# Altium PCB Ixora.PcbDoc (part 3 of 13) (continued)
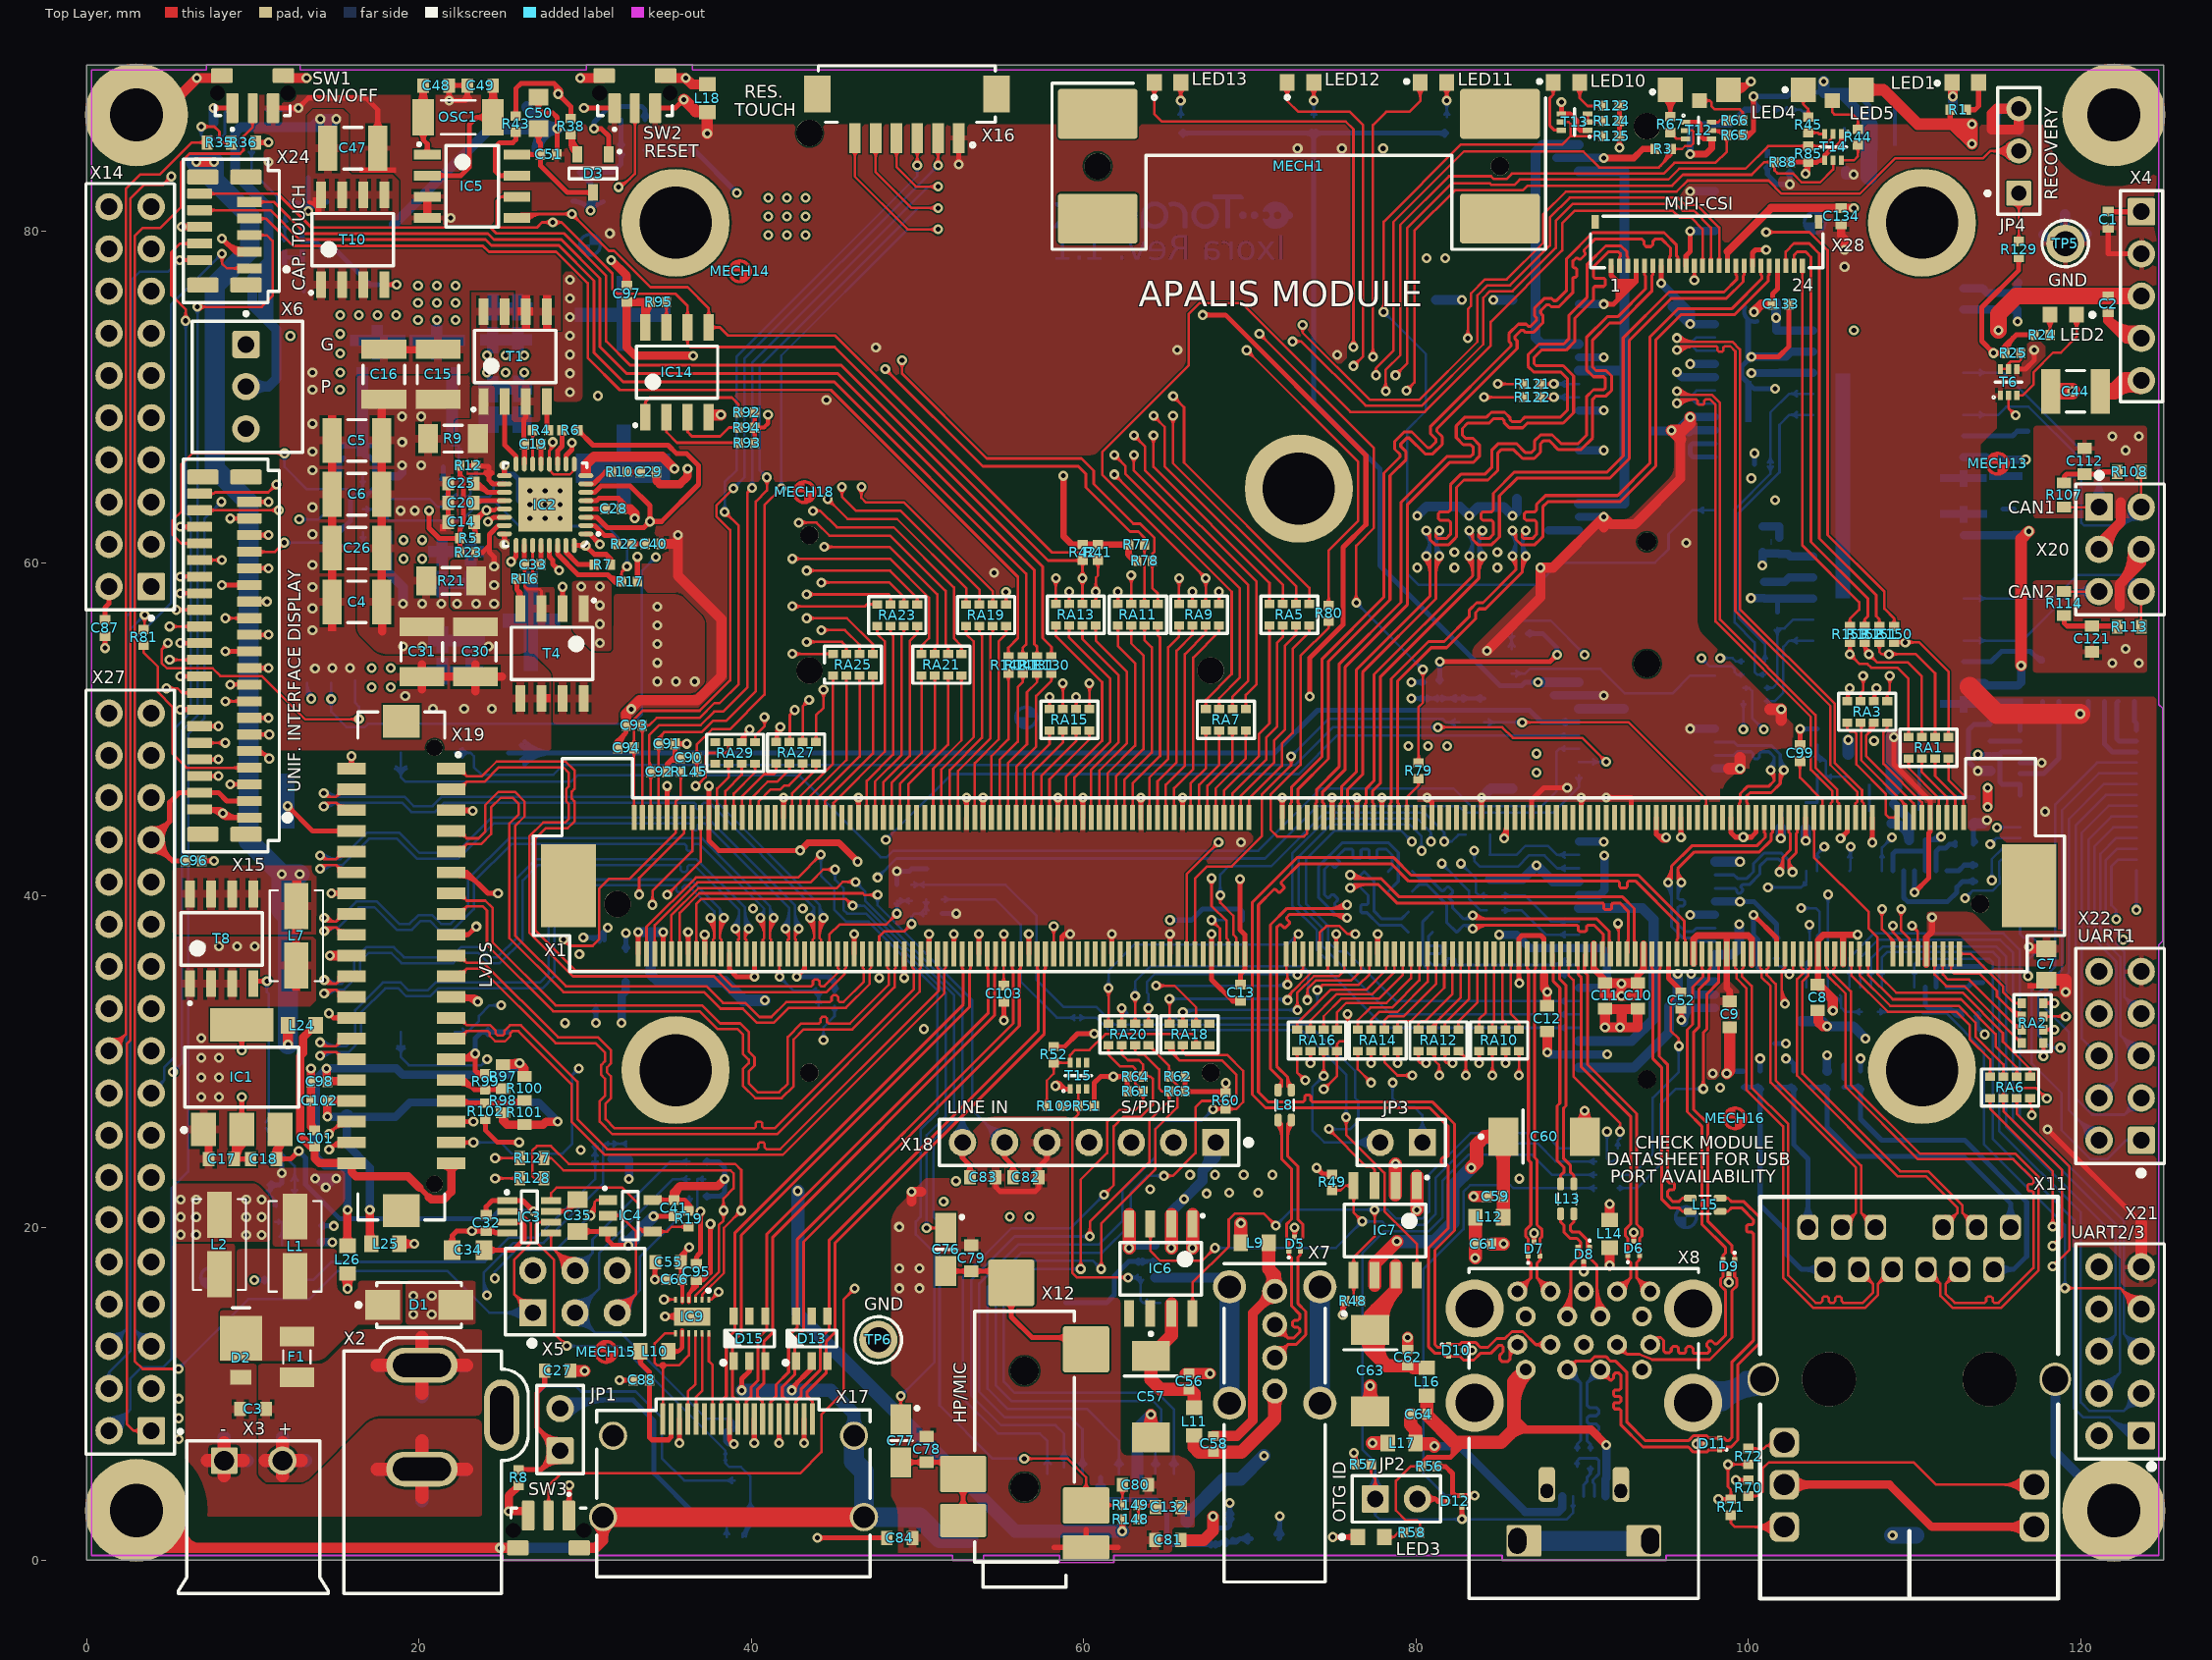
[diagram p0: Top Layer view]
## Nets (pads, with @x,y where several pads share a name; then routed paths per layer and width w, separated by ;. In a path a pad name is that pad's centre, name@x,y a point inside that pad or via, vN(x,y) a via of type N, cw(c..) or ccw(c..) an arc to the next point about the centre after c; other vN are vias at no path point) (continued)
AAP1_LIN_L: C82.2 X1.310 X18.6 | length 45.6
  Top Layer w0.15: X1.310@35.647,37.204 ccw(c35.519,37.332) 35.7,37.332 ccw(c35.881,37.332) X1.310@35.753,37.204 ; X1.310@35.7,36.5 35.7,38.967 36.875,40.142 46.708,40.142 46.8,40.05 v1(47.6,40.05) ; v1@47.441,39.891 ccw(c47.057,39.507) 47.057,40.05 ccw(c47.057,40.593) v1@47.441,40.209
  Top Layer w0.3: X18.6@55.064,24.501 cw(c54.994,24.255) 55.25,24.255 ; X18.6@55.25,25.15 55.25,24.255 ; X18.6@55.435,24.501 ccw(c55.506,24.255) 55.25,24.255 ; C82.2@55.591,23.371 ccw(c55.207,23.755) 55.75,23.755 ; C82.2@55.75,23.05 55.75,23.755 ; C82.2@55.909,23.371 cw(c56.293,23.755) 55.75,23.755 ; 55.25,24.255 55.75,23.755
  Bottom Layer w0.15: v1@47.441,39.891 cw(c47.057,39.507) 47.6,39.507 cw(c48.143,39.507) v1@47.759,39.891 ; v1(47.6,40.05) 47.6,39.418 53.287,33.731 53.287,27.113 X18.6@55.25,25.15 ; X18.6@54.5,25.15 ccw(c52.689,25.15) 53.97,26.43 ccw(c55.25,27.711) X18.6@55.25,25.9 ; X18.6@54.65,25.15 ccw(c53.201,25.15) 54.226,26.174 ccw(c55.25,27.199) X18.6@55.25,25.75 ; X18.6@54.8,25.15 ccw(c53.714,25.15) 54.482,25.918 ccw(c55.25,26.686) X18.6@55.25,25.6
AAP1_LIN_R: C83.2 X1.312 X18.7 | length 45.3
  Top Layer w0.15: X1.312@35.147,37.204 ccw(c35.019,37.332) 35.2,37.332 ccw(c35.381,37.332) X1.312@35.253,37.204 ; X1.312@35.2,36.5 35.2,38.836 36.814,40.45 45.125,40.45 45.5,40.825 v1(46.275,40.825) ; v1@46.116,40.666 ccw(c45.732,40.282) 45.732,40.825 ccw(c45.732,41.368) v1@46.116,40.984
  Top Layer w0.3: X18.7@52.498,24.509 cw(c52.4,24.215) 52.71,24.215 ; X18.7@52.71,25.15 52.71,24.215 ; X18.7@52.922,24.509 ccw(c53.02,24.215) 52.71,24.215 ; C83.2@53,23.34 ccw(c52.616,23.724) 53.159,23.724 ccw(c53.703,23.724) C83.2@53.319,23.34 ; C83.2@53.159,23.05 53.159,23.766 52.71,24.215
  Bottom Layer w0.15: v1@46.275,40.6 cw(c46.275,40.057) 46.659,40.441 cw(c47.043,40.825) v1@46.5,40.825 ; v1(46.275,40.825) 46.85,40.25 46.85,39.7 52.71,33.84 X18.7@52.71,25.15 ; X18.7@52.18,25.68 ccw(c50.899,26.961) 52.71,26.961 ccw(c54.521,26.961) X18.7@53.24,25.68 ; X18.7@52.286,25.574 ccw(c51.261,26.599) 52.71,26.599 ccw(c54.159,26.599) X18.7@53.134,25.574 ; X18.7@52.392,25.468 ccw(c51.624,26.236) 52.71,26.236 ccw(c53.796,26.236) X18.7@53.028,25.468
AAP1_MICIN: C80.2 R149.1 X1.306 X12.4 | length 70.8
  Top Layer w0.15: X1.306@36.647,37.204 ccw(c36.519,37.332) 36.7,37.332 ccw(c36.881,37.332) X1.306@36.753,37.204 ; X1.306@36.7,36.5 36.7,39.517 36.983,39.8 45.7,39.8 v1(46.1,39.4) ; v1@45.875,39.4 ccw(c45.332,39.4) 45.716,39.784 ccw(c46.1,40.168) v1@46.1,39.625 ; v1(56.428,6.119) 59.032,6.119 60.15,5.001 60.15,3.325 R149.1@62.334,3.325 ; v1@56.572,5.96 cw(c56.956,5.576) 56.956,6.119 cw(c56.956,6.663) v1@56.572,6.278 ; X12.4@59.991,4.338 ccw(c59.607,4.722) 60.15,4.722 ccw(c60.693,4.722) X12.4@60.309,4.338 ; X12.4@61.435,3.166 cw(c61.819,2.782) 61.819,3.325 ; X12.4@61.435,3.484 ccw(c61.819,3.869) 61.819,3.325 ; 61.822,3.325 ccw(c61.822,3.839) R149.1@62.186,3.476 ; 61.832,3.325 cw(c61.832,2.825) R149.1@62.186,3.179 ; C80.2@62.14,4.277 cw(c61.673,3.809) 62.334,3.809 ; R149.1@62.186,3.501 ccw(c61.827,3.859) 62.334,3.859 ccw(c62.841,3.859) R149.1@62.483,3.501 ; R149.1@62.203,3.166 ccw(c61.819,2.782) 61.819,3.325 ; R149.1@62.203,3.484 cw(c61.819,3.869) 61.819,3.325 ; R149.1@62.334,3.327 C80.2@62.334,4.419 ; 62.334,3.806 cw(c63.001,3.806) C80.2@62.529,4.277
  Bottom Layer w0.15: v1(46.1,39.4) 46.795,39.4 52.209,33.986 52.209,26.532 50.978,25.301 50.978,20.65 51.333,20.295 51.333,9.322 54.536,6.119 v1(56.428,6.119) ; v1@46.259,39.241 cw(c46.643,38.857) 46.643,39.4 cw(c46.643,39.943) v1@46.259,39.559 ; v1@56.269,5.96 ccw(c55.884,5.576) 55.884,6.119 ccw(c55.884,6.663) v1@56.269,6.278
AGND: C78.1 C79.1 C80.1 C81.2 C82.1 C83.1 C84.2 C85.1 C132.2 IC8.2 L21.1 X1.303 X1.304 X1.308 X1.313 X12.1 X18.5 X27.26 | length 69.3
  Top Layer w0.3: v1@34.844,46.494 cw(c34.588,46.238) 34.95,46.238 cw(c35.312,46.238) v1@35.056,46.494 ; X1.313@34.95,44.7 v1(34.95,46.6) ; v1@36.094,37.694 cw(c35.838,37.438) 36.2,37.438 cw(c36.562,37.438) v1@36.306,37.694 ; X1.308@36.2,36.5 v1(36.2,37.8) ; v1@37.094,37.544 cw(c36.838,37.288) 37.2,37.288 cw(c37.562,37.288) v1@37.306,37.544 ; X1.304@37.2,36.5 v1(37.2,37.65) ; v1(37.447,46.6) 37.45,46.597 X1.303@37.45,44.7 37.45,43.322 38.049,42.723 v1(42.951,42.723) ; C83.1@54.709,23.05 54.709,22.461 54.97,22.2 57.1,22.2 57.3,22.4 C82.1@57.3,23.05 57.3,23.67 57.79,24.16 X18.5@57.79,25.15 ; 58.22,0.78 X12.1@60.15,0.78 ; 60.15,1.85 X12.1@60.15,0.78 ; 62.08,0.78 X12.1@60.15,0.78
  Top Layer w0.4: v1(42.951,42.723) 43.409,43.18 45.27,43.18 v1(46.4,42.05)
  Top Layer w0.6: 49.657,21.59 v1(49.657,22.174) 50.241,22.174
  Mid-Layer 2 w0.5: v1(42.951,42.723) 43.459,43.231 44.628,43.231 45.809,42.05 v1(46.4,42.05)
  Mid-Layer 1 w0.3: X27.26@1.36,38.28 1.36,38.19 2.345,37.205 ; X27.26@1.366,37.605 cw(c1.379,36.239) 2.345,37.205 ; X27.26@1.731,38.223 ccw(c2.42,38.116) 1.927,37.623 ; X27.26@2.027,38.177 ccw(c3.144,38.004) 2.345,37.205 ; v1@29.558,36.373 ccw(c29.302,36.117) 29.302,36.479 ccw(c29.302,36.842) v1@29.558,36.586 ; v1(29.664,36.479) 25.903,36.479 25.4,36.982 12.954,36.982 12.236,37.7 5.375,37.7 4.88,37.205 2.345,37.205
  Bottom Layer w0.3: 37.2,37.147 v1@37.2,37.8
  other v1: 48.912,16.374 50.114,16.374 48.912,17.577 50.114,17.577 48.9,20.067 50.394,31.976 47.7,35.05
AN1_ADC0: X1.305 X27.22 | length 53.9
  Top Layer w0.15: v1(34.95,40.05) 36.95,42.05 X1.305@36.95,44.7 ; v1@34.95,40.275 ccw(c34.95,40.818) 35.334,40.434 ccw(c35.718,40.05) v1@35.175,40.05 ; X1.305@36.897,44.047 cw(c36.769,43.919) 36.95,43.919 cw(c37.131,43.919) X1.305@37.003,44.047
  Mid-Layer 1 w0.15: X27.22@1.36,33.2 2.61,34.45 ; X27.22@1.368,33.65 ccw(c1.385,34.675) 2.11,33.95 ccw(c2.835,33.225) X27.22@1.81,33.208 ; X27.22@1.37,33.8 ccw(c1.394,35.166) 2.36,34.2 ccw(c3.326,33.234) X27.22@1.96,33.21 ; X27.22@1.373,33.95 ccw(c1.402,35.658) 2.61,34.45 ; X27.22@2.11,33.213 cw(c3.818,33.242) 2.61,34.45 ; v1@34.791,39.891 cw(c34.407,39.507) 34.95,39.507 cw(c35.493,39.507) v1@35.109,39.891 ; v1(34.95,40.05) 34.95,39.35 35.175,39.125 35.175,37.603 32.658,35.086 23.605,35.086 20.955,32.436 7.544,32.436 5.53,34.45 2.61,34.45
AN1_ADC1: X1.307 X27.23 | length 47.9
  Top Layer w0.15: v1@33.9,39.61 ccw(c33.516,39.994) 34.059,39.994 ccw(c34.602,39.994) v1@34.218,39.61 ; v1(34.059,39.451) 34.059,40.293 36.45,42.684 X1.307@36.45,44.7 ; X1.307@36.397,44.047 cw(c36.269,43.919) 36.45,43.919 cw(c36.631,43.919) X1.307@36.503,44.047
  Mid-Layer 1 w0.15: X27.23@3.9,35.74 3.915,35.754 5.749,35.754 6.02,35.484 31.684,35.484 34.059,37.859 v1(34.059,39.451) ; X27.23@4.218,35.422 cw(c5.021,34.619) 5.021,35.754 ; X27.23@4.218,36.058 ccw(c4.951,36.791) 4.951,35.754 ; X27.23@4.324,35.316 cw(c5.384,34.256) 5.384,35.754 ; X27.23@4.324,36.164 ccw(c5.314,37.154) 5.314,35.754 ; X27.23@4.43,35.21 cw(c5.746,33.894) 5.746,35.754 ; X27.23@4.43,36.27 ccw(c5.676,37.516) 5.676,35.754 ; v1@33.9,39.292 cw(c33.516,38.908) 34.059,38.908 cw(c34.602,38.908) v1@34.218,39.292
AN1_ADC2: X1.309 X27.24 | length 47.6
  Top Layer w0.15: v1@33.097,40.228 ccw(c32.713,40.612) 33.256,40.612 ccw(c33.799,40.612) v1@33.415,40.228 ; v1@33.254,40.174 33.254,40.071 v1(33.256,40.069) 33.256,41.064 35.95,43.758 X1.309@35.95,44.7 ; X1.309@35.897,44.047 cw(c35.769,43.919) 35.95,43.919 cw(c36.131,43.919) X1.309@36.003,44.047
  Mid-Layer 1 w0.15: X27.24@1.36,35.74 2.36,36.74 ; X27.24@1.445,36.182 ccw(c1.553,36.746) 1.96,36.34 ccw(c2.367,35.933) X27.24@1.802,35.825 ; X27.24@1.473,36.329 ccw(c1.618,37.082) 2.16,36.54 ccw(c2.702,35.998) X27.24@1.949,35.853 ; X27.24@1.502,36.477 ccw(c1.682,37.417) 2.36,36.74 ; X27.24@2.097,35.882 cw(c3.038,36.062) 2.36,36.74 ; v1@33.097,39.91 cw(c32.713,39.526) 33.256,39.526 cw(c33.799,39.526) v1@33.415,39.91 ; v1(33.256,40.069) 33.256,38.666 32.868,38.278 32.282,38.278 29.869,35.865 6.629,35.865 5.754,36.74 2.36,36.74
AN1_TSMX: C92.2 X1.317 X15.38 X16.4 | length 96.9
  Top Layer w0.15: X15.38@6.8,63.2 v1(11.577,63.2) ; X15.38@7.409,63.041 cw(c7.793,62.657) 7.793,63.2 cw(c7.793,63.743) X15.38@7.409,63.359 ; v1@11.418,63.041 ccw(c11.034,62.657) 11.034,63.2 ccw(c11.034,63.743) v1@11.418,63.359 ; C92.2@33.805,47.258 cw(c33.438,46.891) 33.958,46.891 cw(c34.477,46.891) C92.2@34.11,47.258 ; 33.85,47.907 ccw(c34.374,47.907) C92.2@34.003,47.536 ; 33.85,48.269 ccw(c34.736,48.269) C92.2@34.11,47.642 ; X1.317@33.897,45.404 ccw(c33.751,45.55) 33.958,45.55 ; X1.317@33.95,44.7 33.958,44.708 C92.2@33.958,47.45 33.85,47.558 33.85,49.649 34.468,50.267 36.962,50.267 37.775,51.079 38.313,51.079 39.758,52.524 39.758,64.243 ; 33.958,45.514 ccw(c34.113,45.514) X1.317@34.003,45.404 ; v1@39.835,64.498 cw(c39.558,64.443) 39.758,64.243 ; v1@40.012,64.321 ccw(c39.958,64.043) 39.758,64.243 ; v1(40.056,64.541) 39.758,64.243 ; X16.4@48.546,84.854 cw(c48.076,84.384) 48.74,84.384 cw(c49.404,84.384) X16.4@48.934,84.854 ; X16.4@48.74,85.501 48.74,83.848 49.916,82.672 v1(51.24,82.672) ; v1@51.081,82.512 ccw(c50.697,82.128) 50.697,82.672 ccw(c50.697,83.215) v1@51.081,82.831
  Mid-Layer 1 w0.15: v1(11.577,63.2) 13.105,63.2 13.403,62.902 15.1,62.902 17.146,64.948 28.695,64.948 29.99,63.652 39.167,63.652 v1(40.056,64.541) ; v1@11.736,63.041 cw(c12.12,62.657) 12.12,63.2 cw(c12.12,63.743) v1@11.736,63.359 ; v1@39.831,64.541 cw(c39.288,64.541) 39.672,64.157 cw(c40.056,63.773) v1@40.056,64.316
  Bottom Layer w0.15: v1@39.897,64.7 ccw(c39.513,65.085) 40.056,65.085 ccw(c40.599,65.085) v1@40.215,64.7 ; v1(40.056,64.541) 40.056,72.066 50.662,82.672 v1(51.24,82.672) ; v1@51.081,82.512 ccw(c50.697,82.128) 50.697,82.672 ccw(c50.697,83.215) v1@51.081,82.831
AN1_TSMY: C94.2 X1.321 X15.39 X16.2 | length 91.3
  Top Layer w0.15: X15.39@9.8,63.7 v1(10.955,63.7) ; X15.39@10.409,63.541 cw(c10.793,63.157) 10.793,63.7 cw(c10.793,64.243) X15.39@10.409,63.859 ; X15.39@10.439,63.579 cw(c10.572,63.493) 10.613,63.646 cw(c10.673,63.868) X15.39@10.459,63.783 ; X15.39@10.439,63.821 ccw(c10.572,63.907) 10.613,63.754 ccw(c10.673,63.532) X15.39@10.459,63.617 ; v1@10.796,63.541 ccw(c10.412,63.157) 10.412,63.7 ccw(c10.412,64.243) v1@10.796,63.859 ; C94.2@32.798,48.708 cw(c32.431,48.341) 32.95,48.341 cw(c33.469,48.341) C94.2@33.102,48.708 ; C94.2@32.798,49.092 ccw(c32.431,49.459) 32.95,49.459 ccw(c33.469,49.459) C94.2@33.102,49.092 ; X1.321@32.897,45.404 ccw(c32.769,45.532) 32.95,45.532 ccw(c33.131,45.532) X1.321@33.003,45.404 ; X1.321@32.95,44.7 C94.2@32.95,48.9 32.95,50.617 33.463,51.13 36.9,51.13 38.723,52.953 38.723,62.014 37.897,62.84 37.897,63.48 v1(38.933,64.516) ; X16.2@51.046,84.854 cw(c50.576,84.384) 51.24,84.384 cw(c51.904,84.384) X16.2@51.434,84.854 ; v1@51.081,84.117 ccw(c50.697,84.501) 51.24,84.501 ccw(c51.783,84.501) v1@51.399,84.117 ; v1(51.24,83.958) X16.2@51.24,85.501
  Mid-Layer 1 w0.15: v1(10.955,63.7) 11.357,64.102 14.95,64.102 16.227,65.38 28.874,65.38 30.119,64.135 38.552,64.135 v1(38.933,64.516) ; v1@10.955,63.925 ccw(c10.955,64.468) 11.339,64.084 ccw(c11.723,63.7) v1@11.18,63.7 ; v1@38.708,64.516 cw(c38.164,64.516) 38.548,64.132 cw(c38.933,63.748) v1@38.933,64.291
  Bottom Layer w0.15: v1(38.933,64.516) 39.591,65.174 39.591,72.308 v1(51.24,83.958) ; v1@38.933,64.741 ccw(c38.933,65.284) 39.317,64.9 ccw(c39.701,64.516) v1@39.158,64.516 ; v1@51.015,83.958 cw(c50.472,83.958) 50.856,83.574 cw(c51.24,83.189) v1@51.24,83.733
AN1_TSPX: C91.2 X1.315 X15.40 X16.5 | length 99.6
  Top Layer w0.15: X15.40@6.8,64.2 7.66,64.2 ; X15.40@7.44,64.079 cw(c7.66,63.94) 7.66,64.2 ; X15.40@7.44,64.321 ccw(c7.66,64.46) 7.66,64.2 ; v1@11.199,64.758 cw(c10.656,64.758) 11.04,64.374 cw(c11.424,63.99) v1@11.424,64.533 ; v1(11.424,64.758) 10.941,64.275 7.735,64.275 7.66,64.2 ; C91.2@34.282,48.948 cw(c33.915,48.581) 34.434,48.581 cw(c34.953,48.581) C91.2@34.586,48.948 ; C91.2@34.343,49.375 ccw(c34.276,49.518) 34.434,49.518 ; C91.2@34.356,49.148 cw(c34.669,49.275) 34.43,49.514 ; 34.434,45.544 ccw(c34.669,45.544) X1.315@34.503,45.378 ; X1.315@34.45,44.7 34.434,44.716 C91.2@34.434,49.14 34.434,49.518 ; C91.2@34.495,49.204 cw(c34.898,49.367) 34.59,49.674 ; C91.2@34.526,49.375 cw(c34.593,49.518) 34.434,49.518 ; C91.2@34.634,49.26 cw(c35.127,49.459) 34.751,49.835 ; v1@40.786,65.017 cw(c40.402,64.633) 40.945,64.633 cw(c41.488,64.633) v1@41.104,65.017 ; v1(40.945,65.176) 40.945,64.384 40.275,63.715 40.275,52.31 38.486,50.521 37.69,50.521 37.005,49.835 34.751,49.835 ; X16.5@47.296,84.854 cw(c46.826,84.384) 47.49,84.384 cw(c48.154,84.384) X16.5@47.684,84.854 ; X16.5@47.49,85.501 47.49,83.546 49.651,81.386 v1(51.24,81.386) ; v1@51.081,81.226 ccw(c50.697,80.842) 50.697,81.386 ccw(c50.697,81.929) v1@51.081,81.545 ; 34.434,49.518 34.751,49.835
  Mid-Layer 1 w0.15: v1(11.424,64.758) 11.466,64.8 14.661,64.8 16.282,66.421 28.443,66.421 30.247,64.618 37.719,64.618 38.278,65.176 v1(40.945,65.176) ; v1@11.583,64.599 cw(c12.069,64.113) 12.069,64.8 ; v1@11.583,64.917 ccw(c11.865,65.199) 11.865,64.8 ; v1@40.786,65.017 ccw(c40.402,64.633) 40.402,65.176 ccw(c40.402,65.72) v1@40.786,65.335
  Bottom Layer w0.15: v1@40.72,65.176 ccw(c40.177,65.176) 40.561,65.56 ccw(c40.945,65.945) v1@40.945,65.401 ; v1(40.945,65.176) 40.521,65.6 40.521,71.873 50.034,81.386 v1(51.24,81.386) ; v1@51.081,81.226 ccw(c50.697,80.842) 50.697,81.386 ccw(c50.697,81.929) v1@51.081,81.545
AN1_TSPY: C93.2 X1.319 X15.37 X16.3 | length 93.5
  Top Layer w0.15: v1(8.645,62.7) X15.37@9.8,62.7 ; v1@8.804,62.541 cw(c9.188,62.157) 9.188,62.7 cw(c9.188,63.243) v1@8.804,62.859 ; X15.37@9.141,62.617 ccw(c8.927,62.532) 8.987,62.754 ccw(c9.028,62.907) X15.37@9.161,62.821 ; X15.37@9.141,62.783 cw(c8.927,62.868) 8.987,62.646 cw(c9.028,62.493) X15.37@9.161,62.579 ; X15.37@9.191,62.541 ccw(c8.807,62.157) 8.807,62.7 ccw(c8.807,63.243) X15.37@9.191,62.859 ; C93.2@33.298,50.058 cw(c32.931,49.691) 33.45,49.691 cw(c33.969,49.691) C93.2@33.602,50.058 ; X1.319@33.397,45.404 ccw(c33.269,45.532) 33.45,45.532 ccw(c33.631,45.532) X1.319@33.503,45.404 ; X1.319@33.45,44.7 C93.2@33.45,50.25 33.855,50.25 ; C93.2@33.628,50.13 cw(c33.855,49.976) 33.855,50.25 ; C93.2@33.628,50.37 ccw(c33.855,50.524) 33.855,50.25 ; v1@38.405,62.869 cw(c38.405,62.325) 38.789,62.709 cw(c39.173,63.094) v1@38.63,63.094 ; v1(38.405,63.094) 39.24,62.258 39.24,52.739 38.089,51.587 37.781,51.587 36.892,50.698 34.303,50.698 33.855,50.25 ; X16.3@49.796,84.854 cw(c49.326,84.384) 49.99,84.384 cw(c50.654,84.384) X16.3@50.184,84.854 ; v1@49.831,84.117 ccw(c49.447,84.501) 49.99,84.501 ccw(c50.533,84.501) v1@50.149,84.117 ; v1(49.99,83.958) X16.3@49.99,85.501
  Mid-Layer 1 w0.15: v1(8.645,62.7) 10.35,62.7 10.875,62.175 13.214,62.175 13.489,62.45 15.4,62.45 16.653,63.703 24.536,63.703 26.111,62.128 31.267,62.128 32.36,63.221 34.519,63.221 34.646,63.094 v1(38.405,63.094) ; v1@8.804,62.541 cw(c9.188,62.157) 9.188,62.7 cw(c9.188,63.243) v1@8.804,62.859 ; v1@38.246,62.935 ccw(c37.862,62.55) 37.862,63.094 ccw(c37.862,63.637) v1@38.246,63.253
  Bottom Layer w0.15: v1@38.246,63.253 ccw(c37.862,63.637) 38.405,63.637 ccw(c38.948,63.637) v1@38.564,63.253 ; v1(38.405,63.094) 38.405,64.897 39.125,65.617 39.125,72.451 49.99,83.316 v1(49.99,83.958) ; v1@49.831,83.799 cw(c49.447,83.414) 49.99,83.414 cw(c50.533,83.414) v1@50.149,83.799
AN1_TSWIP: C90.2 R145.2 X16.6 | length 56.8
  Top Layer w0.15: C90.2@36.571,48.108 cw(c36.204,47.741) 36.724,47.741 cw(c37.243,47.741) C90.2@36.876,48.108 ; C90.2@36.571,48.492 ccw(c36.204,48.859) 36.724,48.859 ccw(c37.243,48.859) C90.2@36.876,48.492 ; R145.2@36.575,47.624 ccw(c36.217,47.982) 36.724,47.982 ccw(c37.231,47.982) R145.2@36.872,47.624 ; R145.2@36.6,47.645 ccw(c36.467,47.827) 36.685,47.885 ; R145.2@36.619,47.657 ccw(c36.483,47.892) 36.745,47.822 ; 36.702,47.822 ccw(c36.965,47.892) R145.2@36.829,47.657 ; R145.2@36.724,47.45 C90.2@36.724,48.3 36.724,49.093 37.643,50.013 38.71,50.013 40.793,52.096 40.793,63.5 v1(41.808,64.516) ; 36.762,47.885 ccw(c36.98,47.827) R145.2@36.847,47.645 ; v1@41.583,64.516 cw(c41.04,64.516) 41.424,64.132 cw(c41.808,63.748) v1@41.808,64.291 ; X16.6@46.046,84.854 cw(c45.576,84.384) 46.24,84.384 cw(c46.904,84.384) X16.6@46.434,84.854 ; X16.6@46.24,85.501 46.24,83.273 49.414,80.1 v1(51.24,80.1) ; v1@51.081,79.94 ccw(c50.697,79.556) 50.697,80.1 ccw(c50.697,80.643) v1@51.081,80.259
  Bottom Layer w0.15: v1@41.649,64.675 ccw(c41.265,65.059) 41.808,65.059 ccw(c42.352,65.059) v1@41.967,64.675 ; v1(41.808,64.516) 41.808,72.502 49.406,80.1 v1(51.24,80.1) ; v1@51.081,79.94 ccw(c50.697,79.556) 50.697,80.1 ccw(c50.697,80.643) v1@51.081,80.259
AN1_TSWIP_ADC3: R145.1 X1.311 X27.25 | length 51.9
  Top Layer w0.15: v1(28.7,37.361) 29.079,36.982 30.455,36.982 30.861,37.389 30.861,40.437 31.445,41.021 32.691,41.021 35.45,43.78 X1.311@35.45,44.7 35.45,45.675 35.764,45.989 R145.1@35.764,47.45 ; v1@28.717,37.137 cw(c28.749,36.718) 29.046,37.015 cw(c29.343,37.312) v1@28.924,37.344 ; X1.311@35.397,44.047 cw(c35.269,43.919) 35.45,43.919 cw(c35.631,43.919) X1.311@35.503,44.047 ; X1.311@35.397,45.404 ccw(c35.269,45.532) 35.45,45.532 ccw(c35.631,45.532) X1.311@35.503,45.404 ; R145.1@35.615,47.277 cw(c35.257,46.918) 35.764,46.918 cw(c36.271,46.918) R145.1@35.912,47.277
  Mid-Layer 1 w0.15: X27.25@3.9,38.28 12.484,38.28 13.401,37.363 15.392,37.363 15.629,37.6 28.461,37.6 v1(28.7,37.361) ; X27.25@4.218,37.962 cw(c4.986,37.194) 4.986,38.28 cw(c4.986,39.366) X27.25@4.218,38.598 ; X27.25@4.324,37.856 cw(c5.349,36.831) 5.349,38.28 cw(c5.349,39.729) X27.25@4.324,38.704 ; X27.25@4.43,37.75 cw(c5.711,36.469) 5.711,38.28 cw(c5.711,40.091) X27.25@4.43,38.81 ; 27.58,37.6 cw(c27.58,36.241) v1@28.541,37.202 ; 27.942,37.6 cw(c27.942,36.603) v1@28.647,37.308 ; 28.304,37.6 cw(c28.304,36.965) v1@28.753,37.414
AVCC: C85.2 IC8.5 R148.2 X1.314 X1.320 | length 48
  Top Layer w0.3: v1@33.094,37.694 cw(c32.838,37.438) 33.2,37.438 cw(c33.562,37.438) v1@33.306,37.694 ; X1.320@33.2,36.5 v1(33.2,37.8) ; v1@34.594,37.694 cw(c34.338,37.438) 34.7,37.438 cw(c35.062,37.438) v1@34.806,37.694 ; X1.314@34.7,36.5 v1(34.7,37.8)
  Top Layer w0.4: v1@62.334,1.753 R148.2@62.334,2.464
  Bottom Layer w0.6: v1(33.2,37.8) 33.95,37.8 ; v1(34.7,37.8) 33.95,37.8 ; C85.2@36.424,34.798 IC8.5@35.154,34.798 34.412,34.798 33.95,35.26 33.95,37.8
  Bottom Layer w0.7: C85.2@36.812,34.82 38.408,34.82 39.522,33.706 v1(40.818,33.706) ; v1(42.799,22.225) v1@42.799,22.25
  Bottom Layer w0.8: v1(42.799,22.225) 42.799,14.834 55.88,1.753 v1(62.332,1.753)
BKL1_ON: R82.2 X15.5 X19.37 | length 92
  Top Layer w0.15: v1(8.65,46.7) X15.5@9.8,46.7 ; v1@8.809,46.541 cw(c9.193,46.157) 9.193,46.7 cw(c9.193,47.243) v1@8.809,46.859 ; X15.5@9.14,46.619 ccw(c8.932,46.539) 8.99,46.755 ccw(c9.03,46.904) X15.5@9.16,46.821 ; X15.5@9.14,46.781 cw(c8.932,46.861) 8.99,46.645 cw(c9.03,46.496) X15.5@9.16,46.579 ; X15.5@9.191,46.541 ccw(c8.807,46.157) 8.807,46.7 ccw(c8.807,47.243) X15.5@9.191,46.859 ; X19.37@21.95,25.15 v1(23.286,25.15) ; X19.37@22.644,24.956 cw(c23.114,24.486) 23.114,25.15 cw(c23.114,25.814) X19.37@22.644,25.344 ; X19.37@22.695,25.025 cw(c22.844,24.95) 22.888,25.111 cw(c22.964,25.396) X19.37@22.698,25.269 ; X19.37@22.695,25.275 ccw(c22.844,25.351) 22.888,25.189 ccw(c22.964,24.904) X19.37@22.698,25.031 ; X19.37@22.743,25.15 ccw(c22.743,25.693) v1@23.127,25.309 ; X19.37@22.743,25.15 cw(c22.743,24.607) v1@23.127,24.991 ; X19.37@22.743,25.15 ccw(c22.743,25.693) v1@23.127,25.309 ; X19.37@22.743,25.15 cw(c22.743,24.607) v1@23.127,24.991 ; X19.37@22.743,25.15 ccw(c22.743,25.693) v1@23.127,25.309 ; X19.37@22.743,25.15 cw(c22.743,24.607) v1@23.127,24.991 ; 22.857,25.081 ccw(c22.757,25.453) 23.091,25.262 cw(c22.757,25.453) 22.857,25.081 ; 22.857,25.081 cw(c22.923,24.832) 23.117,25.002 ccw(c22.923,24.832) 22.857,25.081 ; 22.857,25.219 ccw(c22.923,25.467) 23.117,25.298 cw(c22.923,25.467) 22.857,25.219 ; 22.857,25.219 cw(c22.757,24.847) 23.091,25.038 ccw(c22.757,24.847) 22.857,25.219
  Mid-Layer 2 w0.15: v1@8.491,46.541 ccw(c8.107,46.157) 8.107,46.7 ccw(c8.107,47.243) v1@8.491,46.859 ; v1(8.65,46.7) 6.974,46.7 6.274,45.999 6.274,27.229 11.603,21.9 17.658,21.9 20.93,25.171 23.265,25.171 v1(23.286,25.15) ; 22.691,25.171 cw(c22.691,24.555) 23.127,24.991 ccw(c22.691,24.555) 22.691,25.171 ; 22.795,25.171 ccw(c22.795,25.642) 23.127,25.309 cw(c22.795,25.642) 22.795,25.171
  Mid-Layer 1 w0.15: v1(29.616,29.591) 31.496,31.471 32.233,31.471 33.858,33.096 37.313,33.096 39.091,31.318 v1(44.348,31.318) ; v1@29.616,29.816 ccw(c29.616,30.359) 30,29.975 ccw(c30.385,29.591) v1@29.841,29.591 ; v1@44.189,31.159 ccw(c43.805,30.775) 43.805,31.318 ccw(c43.805,31.861) v1@44.189,31.477
  Bottom Layer w0.15: v1(23.286,25.15) 24.913,25.15 25.578,24.486 28.651,24.486 29.235,25.07 29.235,29.21 v1(29.616,29.591) ; v1@23.445,24.991 cw(c23.83,24.607) 23.83,25.15 cw(c23.83,25.693) v1@23.445,25.309 ; v1@29.391,29.591 cw(c28.848,29.591) 29.232,29.207 cw(c29.616,28.823) v1@29.616,29.366 ; v1@44.189,31.477 ccw(c43.805,31.861) 44.348,31.861 ccw(c44.892,31.861) v1@44.507,31.477 ; v1(44.348,31.318) 44.348,32.08 45.013,32.745 R82.2@45.013,33.377 ; R82.2@44.865,33.203 cw(c44.506,32.845) 45.013,32.845 cw(c45.52,32.845) R82.2@45.162,33.203
CAM1_D0: RA7.5 X14.7 | length 87.4
  Top Layer w0.15: v1@61.845,65.345 61.858,65.345 68.91,58.293 68.91,53.34 67.361,51.791 RA7.5@67.361,51.232 ; v1@61.85,65.125 cw(c61.85,64.582) 62.234,64.966 cw(c62.618,65.35) v1@62.075,65.35 ; RA7.5@67.237,51.356 ccw(c66.939,51.654) 67.361,51.654 ccw(c67.783,51.654) RA7.5@67.485,51.356
  Mid-Layer 1 w0.15: X14.7@3.9,66.22 5.42,66.22 ; X14.7@4.257,65.946 cw(c4.812,65.521) 4.812,66.22 cw(c4.812,66.919) X14.7@4.257,66.494 ; X14.7@4.376,65.855 cw(c5.116,65.288) 5.116,66.22 cw(c5.116,67.152) X14.7@4.376,66.585 ; X14.7@4.495,65.764 cw(c5.42,65.055) 5.42,66.22 ; X14.7@4.495,66.676 ccw(c5.42,67.385) 5.42,66.22 ; v1@61.625,65.35 ccw(c61.082,65.35) 61.466,65.734 ccw(c61.85,66.118) v1@61.85,65.575 ; v1(61.85,65.35) 59.517,67.683 32.266,67.683 30.226,69.723 23.19,69.723 21.988,70.925 11.825,70.925 10.3,69.4 8.6,69.4 5.42,66.22
CAM1_D1: RA7.6 X14.8 | length 92
  Top Layer w0.15: v1@61.85,66.298 cw(c61.85,65.755) 62.234,66.139 cw(c62.618,66.523) v1@62.075,66.523 ; v1(61.85,66.523) 62.509,65.864 62.509,65.387 69.41,58.486 69.41,53.133 68.161,51.884 RA7.6@68.161,51.232 ; RA7.6@68.037,51.356 ccw(c67.739,51.654) 68.161,51.654 ccw(c68.583,51.654) RA7.6@68.285,51.356
  Mid-Layer 1 w0.15: X14.8@1.36,66.22 2.48,67.34 ; X14.8@1.404,66.668 ccw(c1.481,67.443) 2.032,66.892 ccw(c2.583,66.341) X14.8@1.808,66.264 ; X14.8@1.419,66.817 ccw(c1.522,67.851) 2.256,67.116 ccw(c2.991,66.382) X14.8@1.957,66.279 ; X14.8@1.434,66.966 ccw(c1.562,68.258) 2.48,67.34 ; X14.8@2.106,66.294 cw(c3.398,66.422) 2.48,67.34 ; v1@61.625,66.523 ccw(c61.082,66.523) 61.466,66.907 ccw(c61.85,67.291) v1@61.85,66.748 ; v1(61.85,66.523) 60.188,68.185 33.491,68.185 30.801,70.875 23.461,70.875 22.336,72 12.1,72 11.8,71.7 8.65,71.7 4.29,67.34 2.48,67.34
CAM1_D2: RA7.7 X14.9 | length 85.1
  Top Layer w0.15: v1@62.864,66.364 cw(c62.48,65.98) 63.023,65.98 cw(c63.566,65.98) v1@63.182,66.364 ; v1(63.023,66.523) 63.023,65.581 69.91,58.693 69.91,52.926 68.961,51.976 RA7.7@68.961,51.232 ; RA7.7@68.837,51.356 ccw(c68.539,51.654) 68.961,51.654 ccw(c69.383,51.654) RA7.7@69.085,51.356
  Mid-Layer 1 w0.15: X14.9@3.9,68.76 4.809,68.76 ; X14.9@4.636,68.617 cw(c4.809,68.584) 4.809,68.76 ; X14.9@4.636,68.903 ccw(c4.809,68.936) 4.809,68.76 ; v1@62.798,66.523 ccw(c62.255,66.523) 62.639,66.907 ccw(c63.023,67.291) v1@63.023,66.748 ; v1(63.023,66.523) 60.858,68.687 43.885,68.687 43.1,69.473 33.041,69.473 30.531,71.984 27.889,71.984 26.719,73.154 11.932,73.154 10.929,72.15 8.199,72.15 4.809,68.76
CAM1_D3: RA7.8 X14.10 | length 96
  Top Layer w0.15: v1@63.028,67.476 cw(c63.028,66.933) 63.412,67.317 cw(c63.796,67.701) v1@63.253,67.701 ; v1(63.028,67.701) 63.688,67.042 63.688,65.617 70.406,58.899 70.406,52.721 69.761,52.076 RA7.8@69.761,51.232 ; RA7.8@69.637,51.356 ccw(c69.339,51.654) 69.761,51.654 ccw(c70.183,51.654) RA7.8@69.885,51.356
  Mid-Layer 1 w0.15: X14.10@1.36,68.76 2.6,70 ; X14.10@1.37,69.21 ccw(c1.393,70.215) 2.104,69.504 ccw(c2.815,68.793) X14.10@1.81,68.77 ; X14.10@1.374,69.36 ccw(c1.404,70.699) 2.352,69.752 ccw(c3.299,68.804) X14.10@1.96,68.774 ; X14.10@1.377,69.51 ccw(c1.416,71.184) 2.6,70 ; X14.10@2.11,68.777 cw(c3.784,68.816) 2.6,70 ; v1@62.803,67.701 ccw(c62.26,67.701) 62.644,68.085 ccw(c63.028,68.469) v1@63.028,67.926 ; v1(63.028,67.701) 61.54,69.19 44.093,69.19 43.308,69.975 33.504,69.975 30.378,73.101 27.788,73.101 26.869,74.02 19.554,74.02 19.202,74.371 14.503,74.371 14.326,74.549 8.865,74.549 8.255,73.939 8.255,73.265 4.99,70 2.6,70
CAM1_D4: RA5.5 X14.11 | length 87.1
  Top Layer w0.15: v1@64.042,67.542 cw(c63.658,67.158) 64.201,67.158 cw(c64.744,67.158) v1@64.36,67.542 ; v1(64.201,67.701) 64.201,65.803 71.184,58.821 RA5.5@71.184,57.556 ; RA5.5@71.06,57.68 ccw(c70.761,57.979) 71.184,57.979 ccw(c71.606,57.979) RA5.5@71.307,57.68
  Mid-Layer 1 w0.15: X14.11@3.9,71.3 5.565,71.3 ; X14.11@4.237,71.002 cw(c4.899,70.417) 4.899,71.3 cw(c4.899,72.183) X14.11@4.237,71.598 ; X14.11@4.349,70.902 cw(c5.232,70.122) 5.232,71.3 cw(c5.232,72.478) X14.11@4.349,71.698 ; X14.11@4.462,70.803 cw(c5.565,69.828) 5.565,71.3 cw(c5.565,72.772) X14.11@4.462,71.797 ; 5.568,71.296 7.747,73.475 7.747,74.15 8.625,75.027 14.575,75.027 15.148,75.6 18.95,75.6 19.391,75.159 26.924,75.159 27.813,74.27 30.15,74.27 33.942,70.477 44.994,70.477 45.78,69.692 62.211,69.692 v1(64.201,67.701) ; v1@63.976,67.701 ccw(c63.433,67.701) 63.817,68.085 ccw(c64.201,68.469) v1@64.201,67.926
CAM1_D5: RA5.6 X14.12 | length 89.2
  Top Layer w0.15: v1@64.206,68.654 cw(c64.206,68.111) 64.59,68.495 cw(c64.975,68.879) v1@64.431,68.879 ; v1(64.206,68.879) 64.866,68.22 64.866,65.839 71.984,58.721 RA5.6@71.984,57.556 ; RA5.6@71.86,57.68 ccw(c71.561,57.979) 71.984,57.979 ccw(c72.406,57.979) RA5.6@72.107,57.68
  Mid-Layer 1 w0.15: X14.12@1.36,71.3 2.628,72.568 6.121,72.568 7.239,73.685 7.239,74.36 8.384,75.506 13.657,75.506 14.351,76.2 27.203,76.2 28.016,75.387 30.048,75.387 34.456,70.979 45.202,70.979 45.988,70.194 62.89,70.194 v1(64.206,68.879) ; X14.12@1.36,71.75 ccw(c1.36,72.836) 2.128,72.068 ccw(c2.896,71.3) X14.12@1.81,71.3 ; X14.12@1.36,71.9 ccw(c1.36,73.349) 2.384,72.324 ccw(c3.409,71.3) X14.12@1.96,71.3 ; v1@63.981,68.879 ccw(c63.438,68.879) 63.822,69.263 ccw(c64.206,69.647) v1@64.206,69.104
CAM1_D6: RA5.7 X14.13 | length 89
  Top Layer w0.15: v1@65.22,68.72 cw(c64.836,68.336) 65.379,68.336 cw(c65.922,68.336) v1@65.538,68.72 ; v1(65.379,68.879) 65.379,66.026 72.784,58.621 RA5.7@72.784,57.556 ; RA5.7@72.66,57.68 ccw(c72.361,57.979) 72.784,57.979 ccw(c73.206,57.979) RA5.7@72.907,57.68
  Mid-Layer 1 w0.15: X14.13@3.9,73.84 6.098,73.84 8.242,75.984 12.814,75.984 14.082,77.252 27.269,77.252 28.016,76.505 29.794,76.505 34.817,71.482 45.41,71.482 46.196,70.696 63.563,70.696 v1(65.379,68.879) ; X14.13@4.24,73.546 cw(c4.884,72.989) 4.884,73.84 cw(c4.884,74.691) X14.13@4.24,74.134 ; X14.13@4.354,73.448 cw(c5.212,72.706) 5.212,73.84 cw(c5.212,74.974) X14.13@4.354,74.232 ; X14.13@4.467,73.349 cw(c5.54,72.422) 5.54,73.84 cw(c5.54,75.258) X14.13@4.467,74.331 ; v1@65.154,68.879 ccw(c64.611,68.879) 64.995,69.263 ccw(c65.379,69.647) v1@65.379,69.104
CAM1_D7: RA5.8 X14.14 | length 93.7
  Top Layer w0.15: v1@65.384,69.832 cw(c65.384,69.289) 65.769,69.673 cw(c66.153,70.057) v1@65.609,70.057 ; v1(65.384,70.057) 66.044,69.398 66.044,66.062 73.584,58.522 RA5.8@73.584,57.556 ; RA5.8@73.46,57.68 ccw(c73.161,57.979) 73.584,57.979 ccw(c74.006,57.979) RA5.8@73.707,57.68
  Mid-Layer 1 w0.15: X14.14@1.36,73.84 2.62,75.1 ; X14.14@1.365,74.29 ccw(c1.377,75.335) 2.116,74.596 ccw(c2.855,73.857) X14.14@1.81,73.845 ; X14.14@1.367,74.44 ccw(c1.383,75.833) 2.368,74.848 ccw(c3.353,73.863) X14.14@1.96,73.847 ; X14.14@1.369,74.59 ccw(c1.388,76.331) 2.62,75.1 ; X14.14@2.11,73.849 cw(c3.851,73.868) 2.62,75.1 ; v1@65.159,70.057 ccw(c64.616,70.057) 65,70.441 ccw(c65.384,70.826) v1@65.384,70.282 ; v1(65.384,70.057) 64.244,71.198 46.404,71.198 45.618,71.984 35.159,71.984 29.467,77.675 13.159,77.675 11.946,76.462 6.739,76.462 5.377,75.1 2.62,75.1